# Altium PCB roach2.PcbDoc (part 17 of 39)
Units mil, origin at the board's own origin, x right, y up, seen from the top; angles counter-clockwise.
Board outline 12007.87 x 9606.3 mil, 16 copper layers (L1_TOP, L2_G, L3_S, L4_G, L5_S, L6_P, L7_G, L8_R, L9_R, L10_P, L11_P, L12_S, L13_P, L14_S, L15_G, L16_BOT), stack 81.651 mil thick; 1568 components, 1918 nets, 9251 pads, 6741 vias.
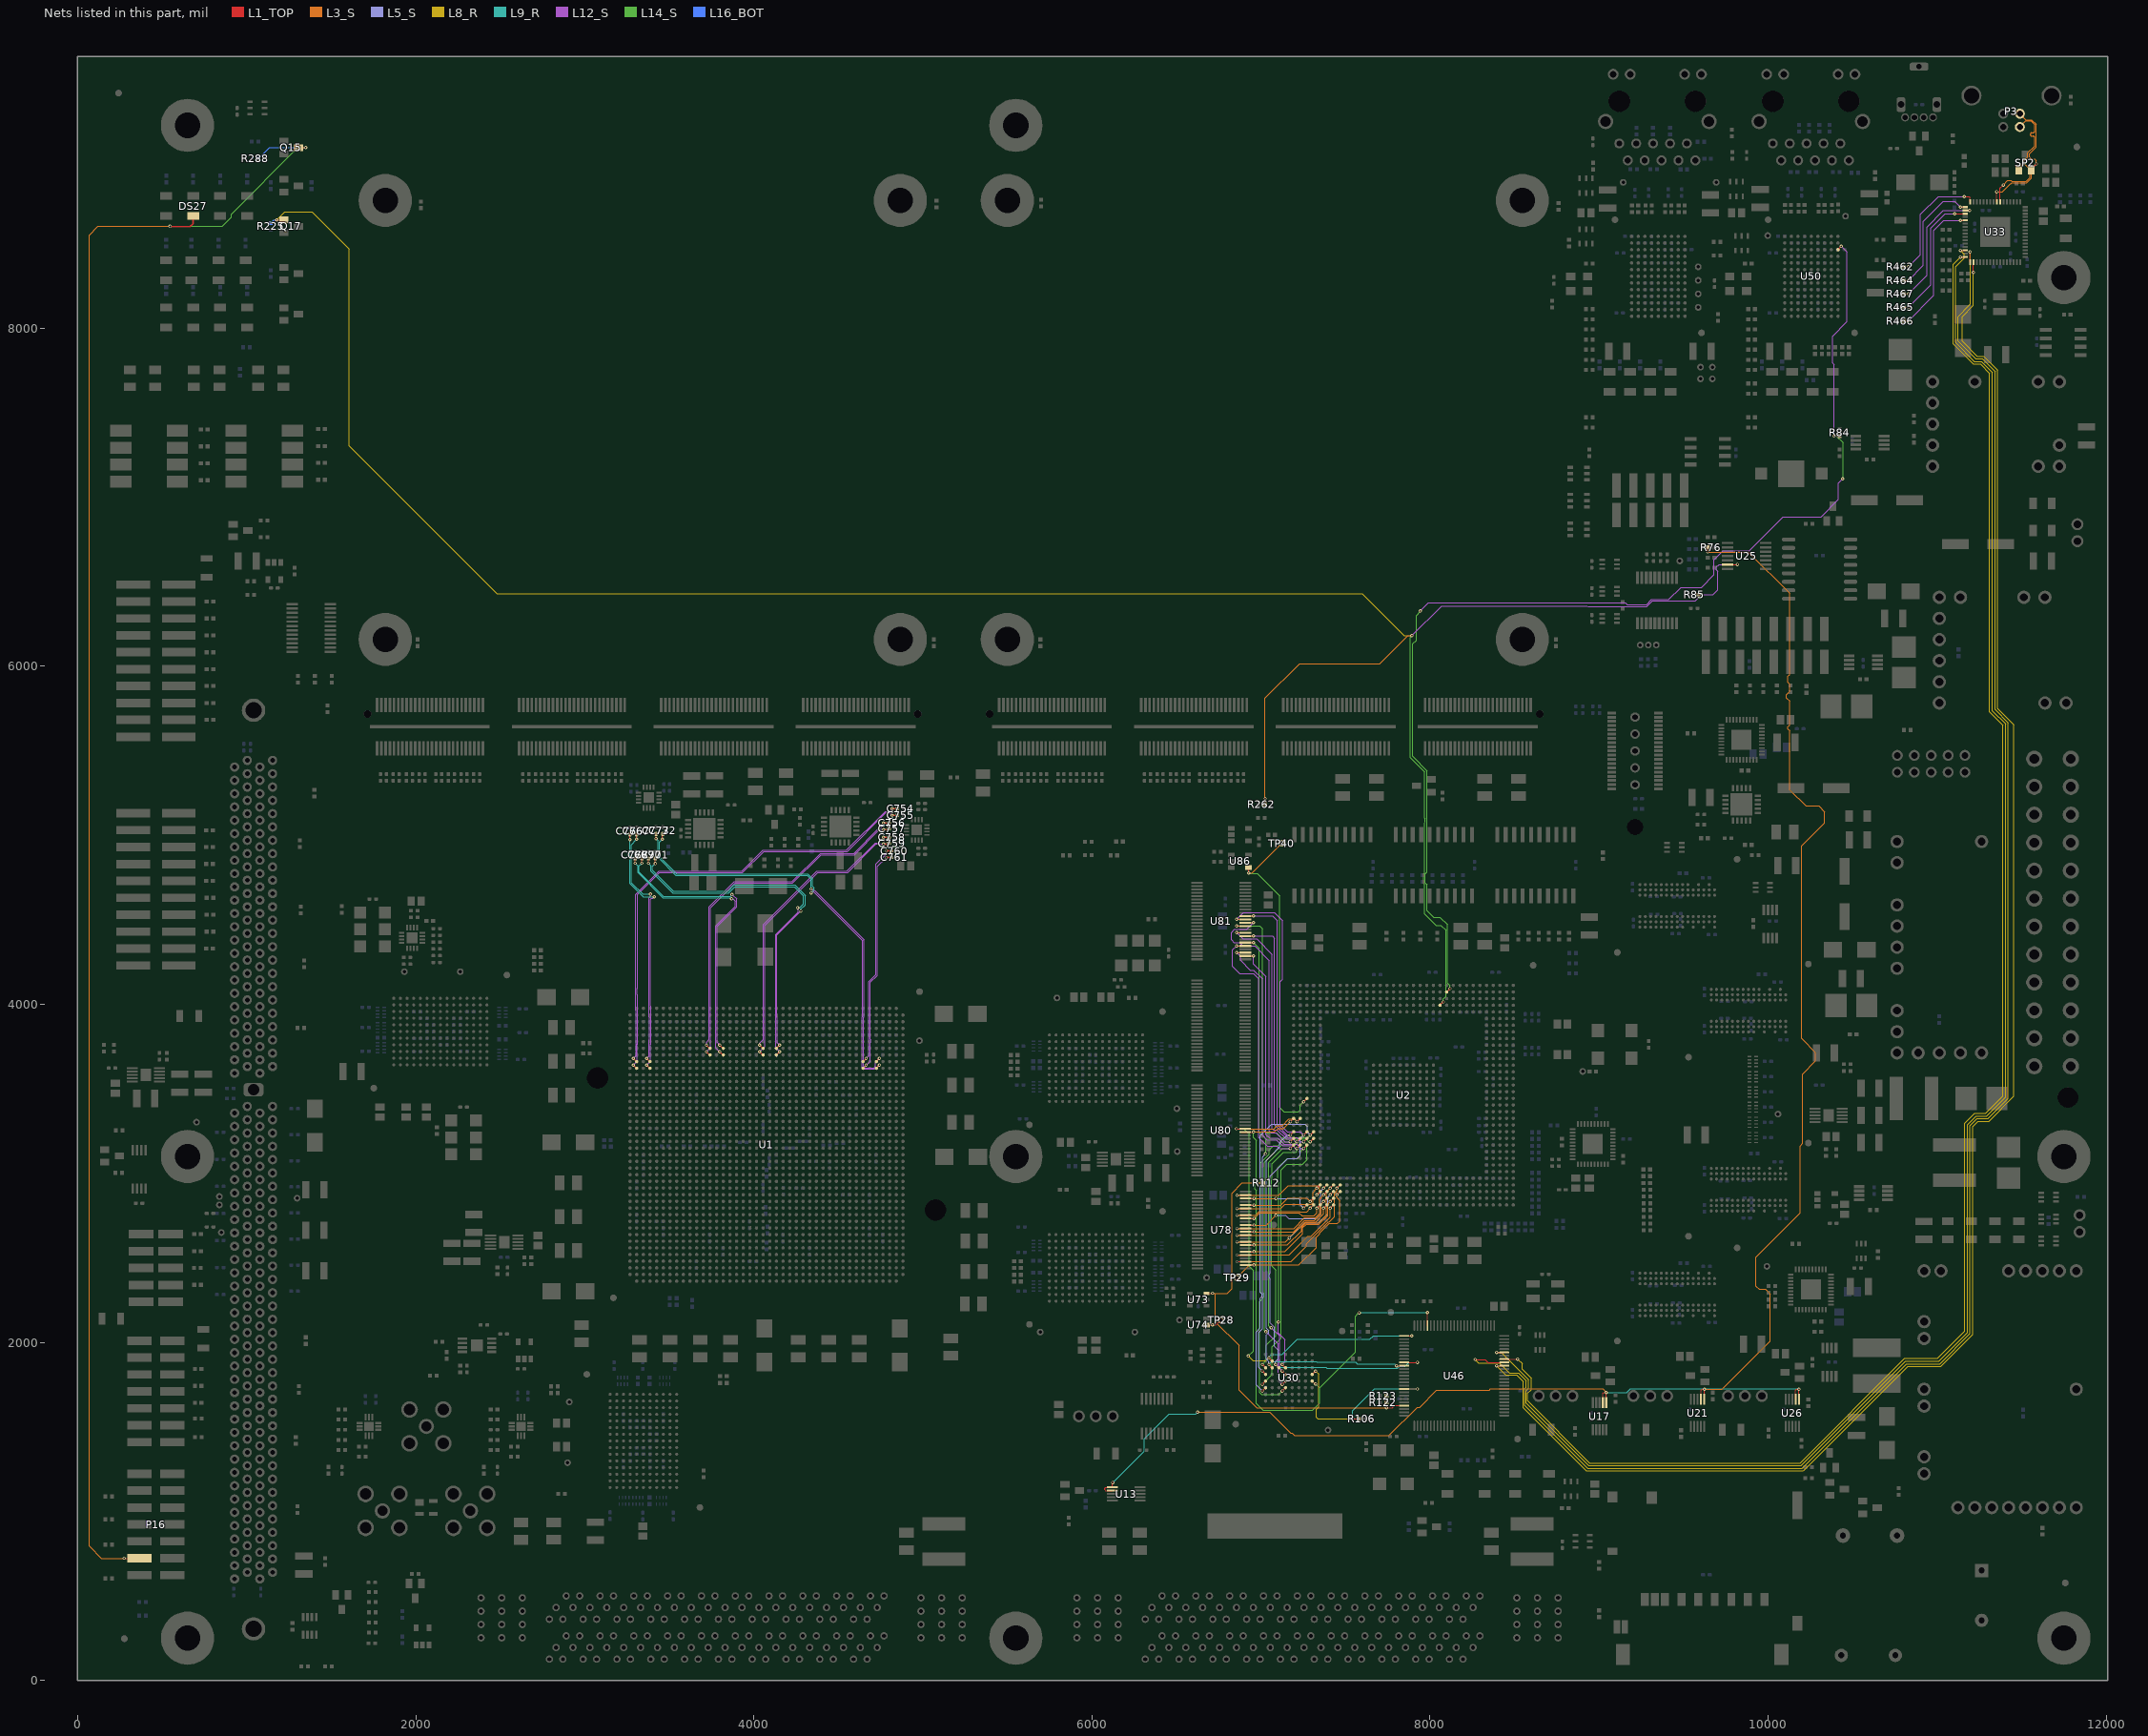
[diagram p31: the nets of this part, all layers, seen from the top]

## Via types
v1: diameter 19.4, hole 10, L1_TOP to L16_BOT, tented both sides, 3354 vias
v2: diameter 19.4, hole 10, L1_TOP to L16_BOT, 1954 vias
v3: diameter 19.4, hole 10, L1_TOP to L16_BOT, tented top, 429 vias
v4: diameter 18.6, hole 10, L1_TOP to L16_BOT, tented both sides, 311 vias
v5: diameter 59.06, hole 39.37, L1_TOP to L16_BOT, 217 vias
v6: diameter 19.4, hole 10.04, L1_TOP to L16_BOT, 125 vias
v7: diameter 19, hole 10, L1_TOP to L16_BOT, 93 vias
v8: diameter 19.4, hole 10, L1_TOP to L16_BOT, tented bottom, 80 vias
v9: diameter 25.98, hole 12.99, L1_TOP to L16_BOT, tented top, 55 vias
v10: diameter 20, hole 10, L1_TOP to L16_BOT, 53 vias
v11: diameter 59.06, hole 39.37, L1_TOP to L16_BOT, tented top, 44 vias
v12: diameter 20, hole 10, L1_TOP to L16_BOT, tented top, 16 vias
v13: diameter 19, hole 10, L1_TOP to L16_BOT, tented top, 5 vias
v14: diameter 25.98, hole 12.99, L1_TOP to L16_BOT, 4 vias
v15: diameter 50, hole 28, L1_TOP to L16_BOT, 1 vias

## Nets (pads, with @x,y where several pads share a name; then routed paths per layer and width w, separated by ;. In a path a pad name is that pad's centre, name@x,y a point inside that pad or via, vN(x,y) a via of type N, cw(c..) or ccw(c..) an arc to the next point about the centre after c; other vN are vias at no path point) (continued)
EPB.PDATA6: U2.A12 U30.G3 U46.10 U81.38 | length 3845.2
  L1_TOP w5: U81.38@6890.22,4522.45 U81.38@6907.16,4522.45 6956.22,4522.45 v1@6958.16,4522.45 ; v1(7047.24,1870.08) U30.G3@7066.93,1850.39 ; v1(7173.7,3226.77) U2.A12@7193.39,3246.46 ; v3(7801.52,1862.05) U46.10@7846.73,1862.05
  L5_S w3.8: v1(7047.24,1870.08) 7047.24,1887.39 7031.64,1902.99 7031.64,2043.58 7044.59,2056.53 7044.59,2069.45 7031.64,2082.4 7031.64,3077.64 7056.99,3102.99 7057.05,3102.99 7110.99,3156.93 7110.99,3182.99 7154.77,3226.77 v1(7173.7,3226.77)
  L9_R w3.8: v1(7047.24,1870.08) 7062.84,1885.68 7329.3,1885.68 7330.39,1884.59 7558.91,1884.59 7570.51,1872.99 7790.58,1872.99 v3(7801.52,1862.05)
  L12_S w3.8: v1(6956.22,4522.84) 7069.14,4522.84 7096.99,4494.99 7096.99,3286.99 7157.21,3226.77 v1(7173.7,3226.77)
EPB.PDATA7: U2.C12 U30.F3 U46.9 U81.37 | length 4256
  L1_TOP w5: v1(6856.22,4502.84) v1(6856.22,4502.84) U81.37@6907.16,4502.76 U81.37@6924.1,4502.76 ; v1(7086.61,1870.08) U30.F3@7106.3,1850.39 ; v1(7252.44,3226.77) U2.C12@7272.13,3246.46 ; U46.9@7846.73,1881.73 v2(7924.91,1881.73)
  L5_S w3.8: v1(7086.61,1870.08) 7086.61,1887.39 7102.21,1902.99 7102.21,1955.28 7080.99,1976.5 7080.99,2089.05 7055.24,2114.8 7055.24,2375.9 7047.84,2383.3 7047.84,2402.68 7055.24,2410.08 7055.24,2983.24 7158.99,3086.99 7213.46,3086.99 7232.99,3106.52 7232.99,3207.32 v1(7252.44,3226.77)
  L9_R w3.8: v1(7086.61,1870.08) 7102.84,1853.85 7384.13,1853.85 7390.99,1846.99 7794.51,1846.99 7795.06,1846.45 7807.98,1846.45 7820.53,1858.99 7852.99,1858.99 7875.73,1881.73 v2(7924.91,1881.73)
  L12_S w3.8: v1(6856.22,4502.84) 6896.38,4542.99 7080.99,4542.99 7128.99,4494.99 7128.99,4148.99 ; 7128.99,4150.99 7128.99,4148.99 ; v1(7252.44,3226.77) 7232.22,3246.99 7154.99,3246.99 7112.99,3288.99 7112.99,4132.99 7128.99,4148.99
EPB.PDATA8: U2.A11 U30.E6 U81.36 | length 3514.7
  L1_TOP w5: U81.36@6890.22,4483.08 U81.36@6907.16,4483.08 6956.22,4483.08 v1@6958.16,4483.08 ; v1(7125.98,1712.6) U30.E6@7145.67,1732.28 ; v1(7173.7,3187.4) U2.A11@7193.39,3207.09
  L12_S w3.8: v1(6956.22,4483.47) 6915.75,4442.99 6842.99,4442.99 6824.99,4424.99 6824.99,4380.99 6840.99,4364.99 6874.99,4364.99 6894.99,4344.99 6962.99,4344.99 7048.99,4258.99 7048.99,3250.99 7058.99,3240.99 7088.99,3240.99 7142.58,3187.4 v1(7173.7,3187.4)
  L14_S w3.8: v1(7125.98,1712.6) 7106.38,1692.99 7002.99,1692.99 6992.27,1703.71 6992.27,2082.27 6992.99,2082.99 6992.99,2240.99 7006.9,2254.9 7006.9,2285.45 6996.99,2295.36 6996.99,3060.99 7048.99,3112.99 7048.99,3139.05 7074.93,3164.99 7100.99,3164.99 7123.4,3187.4 v1(7173.7,3187.4)
EPB.PDATA9: U2.D12 U30.H6 U81.35 | length 3700.7
  L1_TOP w5: v1@6856.22,4463.39 U81.35@6907.16,4463.39 U81.35@6924.1,4463.39 ; v1(7007.87,1712.6) U30.H6@7027.56,1732.28 ; v1(7291.81,3226.77) U2.D12@7311.5,3246.46
  L5_S w3.8: 6996.24,2962.99 6996.24,2960.03 ; v1(7007.87,1712.6) 6972.99,1747.48 6972.99,2062.43 6996.24,2085.68 6996.24,2261.88 7006.9,2272.53 7006.9,2285.45 6996.24,2296.11 6996.24,2925.15 7003.99,2932.9 7003.99,2952.28 6996.24,2960.03 ; v1(7291.81,3226.77) 7272.99,3245.59 7272.99,3276.99 7260.07,3289.91 7061.91,3289.91 6996.24,3224.24 6996.24,2960.03
  L14_S w3.8: v1(6856.22,4463.47) 6857.75,4464.99 6990.99,4464.99 7008.99,4446.99 7008.99,3262.99 7032.99,3238.99 7090.99,3238.99 7119.19,3210.8 7275.84,3210.8 v1(7291.81,3226.77)
EPB.PDATA10: U2.B11 U30.E5 U81.33 | length 3200.5
  L1_TOP w5: v1@6856.16,4424.02 6856.22,4424.02 U81.33@6907.16,4424.02 U81.33@6924.1,4424.02 ; v1(7125.98,1751.97) U30.E5@7145.67,1771.65 ; v1(7213.07,3187.4) U2.B11@7232.76,3207.09
  L12_S w3.8: v1(6856.22,4424.1) 6893.33,4386.99 6974.99,4386.99 7066.99,4294.99 7066.99,4146.99 ; v2(7028.99,2062.99) 7102.21,1989.77 7102.21,1775.74 v1(7125.98,1751.97) ; 7066.99,4150.99 7066.99,4146.99 ; v1(7213.07,3187.4) 7204.9,3187.4 7189.3,3203 7148.98,3203 7094.99,3256.99 7072.99,3256.99 7066.99,3262.99 7066.99,4146.99
  L14_S w3.8: v2(7028.99,2062.99) 7020.99,2070.99 7020.99,3064.99 7124.99,3168.99 7194.66,3168.99 v1(7213.07,3187.4)
EPB.PDATA11: U2.C11 U30.H5 U81.32 | length 3175.6
  L1_TOP w5: U81.32@6890.22,4404.34 U81.32@6907.16,4404.34 6956.22,4404.34 v1@6958.16,4404.34 ; v1(7007.87,1751.97) U30.H5@7027.56,1771.65 ; v1(7252.44,3187.4) U2.C11@7272.13,3207.09
  L12_S w3.8: v1(6956.22,4404.73) 7067.25,4404.73 7080.99,4390.99 7080.99,3288.99 7159.18,3210.8 7211.73,3210.8 7235.13,3187.4 v1(7252.44,3187.4)
  L14_S w3.8: v1(7007.87,1751.97) 7066.99,1811.09 7066.99,1972.99 7118.99,2024.99 7118.99,3018.99 7152.99,3052.99 7244.99,3052.99 7270.99,3078.99 7270.99,3168.85 v1(7252.44,3187.4)
EPB.PDATA12: U2.D11 U30.H4 U81.30 | length 2992
  L1_TOP w5: U81.30@6890.22,4364.97 U81.30@6907.16,4364.97 6956.22,4364.97 v1@6958.16,4364.97 ; v1(7007.87,1830.71) U30.H4@7027.56,1811.02 ; v1(7291.81,3187.4) U2.D11@7311.5,3207.09
  L5_S w3.8: v1(7007.87,1830.71) 6986.99,1851.59 6986.99,2059.74 7008.04,2080.79 7008.04,2262.64 7014.7,2269.3 7014.7,2288.68 7008.04,2295.34 7008.04,2925.92 7011.79,2929.67 7011.79,2955.51 7008.04,2959.26 7008.04,3096.99 v2@7026.04,3114.99
  L14_S w3.8: v1(6956.22,4365.36) 6988.99,4332.59 6988.99,3242.99 7028.98,3203 ; v2(7026.99,3114.99) 7028.98,3116.98 7028.98,3203 ; v1(7291.81,3187.4) 7283.64,3187.4 7268.04,3203 7028.98,3203
EPB.PDATA13: U2.A10 U30.E4 U81.29 | length 3024.3
  L1_TOP w5: v1@6856.16,4345.28 6856.22,4345.28 U81.29@6907.16,4345.28 U81.29@6924.1,4345.28 ; v1(7125.98,1830.71) U30.E4@7145.67,1811.02 ; v1(7173.7,3148.03) U2.A10@7193.39,3167.72
  L12_S w3.8: v1(6856.22,4345.36) 6832.99,4322.13 6832.99,4224.99 6874.99,4182.99 6954.99,4182.99 6986.99,4150.99 6986.99,3210.99 7036.99,3160.99 7094.99,3160.99 7107.95,3148.03 v1(7173.7,3148.03) ; v2(7060.99,2086.99) 7110.01,2037.97 7110.01,1846.68 v1(7125.98,1830.71)
  L14_S w3.8: v2(7060.99,2086.99) 7056.99,2086.99 7044.99,2098.99 7044.99,3064.99 7128.03,3148.03 v1(7173.7,3148.03)
EPB.PDATA14: U2.B10 U30.H3 U81.27 | length 2941
  L1_TOP w5: v1@6856.16,4305.91 6856.22,4305.91 U81.27@6907.16,4305.91 U81.27@6924.1,4305.91 ; v1(7007.87,1870.08) U30.H3@7027.56,1850.39 ; v1(7213.07,3148.03) U2.B10@7232.76,3167.72
  L12_S w3.8: v1(6856.22,4305.99) 6878.99,4283.22 6878.99,4260.99 6936.99,4202.99 6956.99,4202.99 7008.99,4150.99 7008.99,3224.99 7034.99,3198.99 7090.99,3198.99 7126.36,3163.63 7189.3,3163.63 7204.9,3148.03 v1(7213.07,3148.03)
  L14_S w3.8: v1(7007.87,1870.08) 7028.99,1891.2 7028.99,1980.99 7086.84,2038.84 7086.84,2429.14 7063.79,2452.19 7063.79,2958.99 7064.39,2959.59 7064.39,3056.39 7132.26,3124.26 7206.26,3124.26 7213.07,3131.07 v1(7213.07,3148.03)
EPB.PDATA15: U2.C10 U30.E3 U81.26 | length 2873.1
  L1_TOP w5: U81.26@6890.22,4286.23 U81.26@6907.16,4286.23 6956.22,4286.23 v1@6958.16,4286.23 ; v1(7125.98,1870.08) U30.E3@7145.67,1850.39 ; v1(7252.44,3148.03) U2.C10@7272.13,3167.72
  L12_S w3.8: v1(6956.22,4286.62) 6956.22,4237.76 7028.99,4164.99 7028.99,3228.99 7050.19,3207.79 7100.19,3207.79 7136.55,3171.43 7211.73,3171.43 7235.13,3148.03 v1(7252.44,3148.03) ; v2(7102.99,2120.99) 7102.99,2056.02 7141.58,2017.43 7141.58,1885.68 v1(7125.98,1870.08)
  L14_S w3.8: v2(7102.99,2120.99) 7104.95,2122.95 7104.95,2945.04 7098.99,2950.99 7098.99,3032.99 7154.99,3088.99 7218.99,3088.99 7232.99,3102.99 7232.99,3128.58 v1(7252.44,3148.03)
EPB.PDATA16: U2.E3 U78.47 | length 663.6
  L1_TOP w5: v1@6858.36,2870.93 6858.42,2870.93 U78.47@6909.36,2870.93 U78.47@6926.3,2870.93 ; v1(7331.18,2872.44) U2.E3@7350.87,2892.13
  L3_S w3.8: v1(6858.42,2871.01) 7106.01,2871.01 7162.41,2927.41 7337.64,2927.41 7346.78,2918.27 7346.78,2888.04 v1(7331.18,2872.44)
EPB.PDATA17: U2.C1 U78.46 | length 431.3
  L1_TOP w5: U78.46@6892.42,2851.24 U78.46@6909.36,2851.24 6958.42,2851.24 v1@6960.36,2851.24 ; v1(7252.44,2793.7) U2.C1@7272.13,2813.39
  L3_S w3.8: v1(6958.42,2851.64) v2(7089.35,2851.64)
  L5_S w3.8: v2(7089.35,2851.64) 7224.35,2851.64 7232.99,2842.99 7232.99,2813.15 v1(7252.44,2793.7)
EPB.PDATA18: U2.D2 U78.44 | length 454.3
  L1_TOP w5: U78.44@6892.42,2811.87 U78.44@6909.36,2811.87 6958.42,2811.87 v1@6960.36,2811.87 ; v1(7291.81,2833.07) U2.D2@7311.5,2852.76
  L3_S w3.8: v1(6958.42,2812.27) 7117.27,2812.27 7157.99,2852.99 7271.89,2852.99 v1(7291.81,2833.07)
EPB.PDATA19: U2.E4 U78.43 | length 654
  L1_TOP w5: v1@6858.36,2792.19 6858.42,2792.19 U78.43@6909.36,2792.19 U78.43@6926.3,2792.19 ; v1(7331.18,2911.81) U2.E4@7350.87,2931.5
  L3_S w3.8: v1(6858.42,2792.27) 7117.27,2792.27 7142.47,2817.47 7298.27,2817.47 7307.41,2826.61 7307.41,2888.04 v1(7331.18,2911.81)
EPB.PDATA20: U2.D1 U78.41 | length 547.6
  L1_TOP w5: v1@6858.36,2752.82 6858.42,2752.82 U78.41@6909.36,2752.82 U78.41@6926.3,2752.82 ; v1(7291.81,2793.7) U2.D1@7311.5,2813.39
  L3_S w3.8: v1(6858.42,2752.9) 6966.76,2752.9 6988.66,2774.79 7227.22,2774.79 7229.02,2772.99 7271.1,2772.99 v1(7291.81,2793.7)
EPB.PDATA21: U2.E1 U78.40 | length 525.3
  L1_TOP w5: U78.40@6892.42,2733.13 U78.40@6909.36,2733.13 6958.42,2733.13 v1@6960.36,2733.13 ; v1(7331.18,2793.7) U2.E1@7350.87,2813.39
  L3_S w3.8: v1(6958.42,2733.53) 6991.89,2766.99 7223.99,2766.99 7242.99,2747.99 7312.99,2747.99 7331.18,2766.18 v1(7331.18,2793.7)
EPB.PDATA22: U2.F4 U78.38 | length 692.8
  L1_TOP w5: U78.38@6892.42,2693.76 U78.38@6909.36,2693.76 6958.42,2693.76 v1@6960.36,2693.76 ; v1(7370.55,2911.81) U2.F4@7390.24,2931.5
  L3_S w3.8: v1(6958.42,2694.16) 7032.16,2694.16 v2(7088.99,2750.99)
  L5_S w3.8: v2(7088.99,2750.99) 7144.99,2750.99 7162.99,2732.99 7327.99,2732.99 7352.99,2757.99 7352.99,2894.25 v1(7370.55,2911.81)
EPB.PDATA23: U2.F3 U78.37 | length 740.3
  L1_TOP w5: v1@6858.36,2674.08 6858.42,2674.08 U78.37@6909.36,2674.08 U78.37@6926.3,2674.08 ; v1(7370.55,2872.44) U2.F3@7390.24,2892.13
  L3_S w3.8: v1(6858.42,2674.16) 7194.16,2674.16 7258.51,2738.51 7322.48,2738.51 7347.15,2763.18 7347.15,2849.04 v1(7370.55,2872.44)
EPB.PDATA24: U2.F2 U78.36 | length 615.4
  L1_TOP w5: U78.36@6892.42,2654.39 U78.36@6909.36,2654.39 6958.42,2654.39 v1@6960.36,2654.39 ; v1(7370.55,2833.07) U2.F2@7390.24,2852.76
  L3_S w3.8: v1(6958.42,2654.79) 7191.59,2654.79 7258.63,2721.82 7316.82,2721.82 7354.95,2759.95 7354.95,2817.47 v1(7370.55,2833.07)
EPB.PDATA25: U2.F1 U78.35 | length 693.1
  L1_TOP w5: v1@6858.36,2634.71 6858.42,2634.71 U78.35@6909.36,2634.71 U78.35@6926.3,2634.71 ; v1(7370.55,2793.7) U2.F1@7390.24,2813.39
  L3_S w3.8: v1(6858.42,2634.79) 7182.62,2634.79 7261.86,2714.02 7324.02,2714.02 7370.55,2760.55 v1(7370.55,2793.7)
EPB.PDATA26: U2.G3 U78.33 | length 819.1
  L1_TOP w5: v1@6858.36,2595.34 6858.42,2595.34 U78.33@6909.36,2595.34 U78.33@6926.3,2595.34 ; v1(7409.92,2872.44) U2.G3@7429.61,2892.13
  L3_S w3.8: v1(6858.42,2595.42) 7145.42,2595.42 v2(7167.99,2617.99)
  L5_S w3.8: v2(7167.99,2617.99) 7257.99,2707.99 7342.99,2707.99 7394.32,2759.32 7394.32,2856.84 v1(7409.92,2872.44)
EPB.PDATA27: U2.G4 U78.32 | length 778.1
  L1_TOP w5: U78.32@6892.42,2575.65 U78.32@6909.36,2575.65 6958.42,2575.65 v1@6960.36,2575.65 ; v1(7409.92,2911.81) U2.G4@7429.61,2931.5
  L3_S w3.8: v1(6958.42,2576.05) 7156.05,2576.05 7239.76,2659.76 7239.76,2680.9 7265.09,2706.22 7339.75,2706.22 7386.52,2752.99 7386.52,2888.41 v1(7409.92,2911.81)
EPB.PDATA28: U2.G2 U78.30 | length 730.5
  L1_TOP w5: U78.30@6892.42,2536.28 U78.30@6909.36,2536.28 6958.42,2536.28 v1@6960.36,2536.28 ; v1(7409.92,2833.07) U2.G2@7429.61,2852.76
  L3_S w3.8: v1(6958.42,2536.68) 7141.68,2536.68 7247.56,2642.56 7247.56,2677.67 7268.32,2698.42 7343.42,2698.42 7394.32,2749.32 7394.32,2817.47 v1(7409.92,2833.07)
EPB.PDATA29: U2.G1 U78.29 | length 793.6
  L1_TOP w5: v1@6858.36,2516.6 6858.42,2516.6 U78.29@6909.36,2516.6 U78.29@6926.3,2516.6 ; v1(7409.92,2793.7) U2.G1@7429.61,2813.39
  L3_S w3.8: v1(6858.42,2516.68) 7166.68,2516.68 7277.56,2627.56 7297.67,2627.56 7409.92,2739.82 v1(7409.92,2793.7)
EPB.PDATA30: U2.H4 U78.27 | length 964.7
  L1_TOP w5: v1@6858.36,2477.23 6858.42,2477.23 U78.27@6909.36,2477.23 U78.27@6926.3,2477.23 ; v1(7449.29,2911.81) U2.H4@7468.98,2931.5
  L3_S w3.8: v1(6858.42,2477.31) 7177.31,2477.31 7267.99,2567.99 7267.99,2582.99 7397.99,2712.99 7402.99,2712.99 7433.69,2743.69 7433.69,2878.9 7449.29,2894.5 v1(7449.29,2911.81)
EPB.PDATA31: TP29.1 U2.H3 U78.26 | length 1041.7
  L1_TOP w5: U78.26@6892.42,2457.54 U78.26@6909.36,2457.54 6958.42,2457.54 v1@6960.36,2457.54 ; v1(7449.29,2872.44) U2.H3@7468.98,2892.13
  L3_S w3.8: v1(6958.42,2457.94) 7223.94,2457.94 7326.82,2560.82 7326.82,2622.19 ; 7327.65,2623.02 7347.56,2642.93 7347.56,2647.67 7402.89,2702.99 7452.99,2702.99 7464.89,2714.89 7464.89,2839.53 7449.29,2855.13 v1(7449.29,2872.44)
  L3_S w5: TP29.1@6857.99,2382.99 6932.94,2457.94 v1(6958.42,2457.94)
EPB.PERCLK: R112.2 R122.2 R123.1 TP28.1 U46.22 U73.3 U74.2 | length 2792
  L1_TOP w5: U73.3@6669.3,2290.59 6671.3,2290.59 6712.59,2290.59 v2(6712.99,2290.99) ; U74.2@6679.3,2102.59 v2@6712.59,2102.59 ; v2(6712.99,2102.99) 6732.99,2102.99 TP28.1@6762.99,2132.99 ; v2@6980.99,2942.99 R112.2@7013.31,2942.99 R112.2@7014.28,2942.99 ; v2@7742.68,1613.31 R122.2@7742.68,1642.99 R123.1@7742.68,1682.99 ; v2(7742.99,1612.99) 7774.99,1612.99 7787.83,1625.83 U46.22@7846.73,1625.83
  L3_S w3.8: v2(6712.99,2102.99) 6730.99,2120.99 ; v2(6712.99,2290.99) 6730.99,2290.99 ; v2(6980.59,2942.59) 6888.59,2942.59 6827.99,2881.99 6827.99,2317.99 6800.99,2290.99 6730.99,2290.99 ; v2(7742.99,1612.99) 6974.99,1612.99 6870.99,1716.99 6870.99,1980.99 6730.99,2120.99 ; 6730.99,2120.99 6730.99,2290.99
EPB.POEN: U2.B14 U30.G2 U46.1 U80.43 | length 3023.7
  L1_TOP w5: v1(6855.32,3263.93) U80.43@6906.26,3263.85 U80.43@6923.2,3263.85 ; v1(7047.24,1909.45) U30.G2@7066.93,1889.76 ; v1(7213.07,3305.51) U2.B14@7232.76,3325.2 ; U46.1@7846.73,2039.21 v3(7891.94,2039.21)
  L3_S w3.8: v1(6855.32,3263.93) 7075.93,3263.93 7094.99,3282.99 7126.99,3282.99 7165.11,3321.11 7197.47,3321.11 v1(7213.07,3305.51)
  L8_R w3.8: v2(6924.99,1918.99) 6952.99,1890.99 7028.79,1890.99 v1(7047.24,1909.45)
  L9_R w3.8: v1(7047.24,1909.45) 7047.24,1913.24 7062.99,1928.99 7124.99,1928.99 7214.59,2018.59 7644.59,2018.59 7665.21,2039.21 v3(7891.94,2039.21)
  L14_S w3.8: v1(6855.32,3263.93) 6900.06,3263.93 6928.99,3234.99 6928.99,2450.99 6954.99,2424.99 6954.99,1948.99 v2(6924.99,1918.99)
EPB.PRDY: TP40.1 U2.C17 U86.4 | length 2014.7
  L1_TOP w5: v2@6927.17,4776.74 U86.4@6927.17,4809.06 ; v1(7252.44,3423.62) U2.C17@7272.13,3443.31
  L3_S w5: v2(6927.57,4776.34) 6946.34,4776.34 TP40.1@7122.99,4952.99
  L14_S w3.8: v2@6926.99,4774.99 6927.57,4774.99 6976.99,4774.99 7110.99,4640.99 7110.99,3388.99 7136.99,3362.99 7220.99,3362.99 7231.81,3373.81 7231.81,3402.99 v1(7252.44,3423.62)
EPB.PWRN: U2.A14 U30.A5 U46.96 U80.42 | length 3538.4
  L1_TOP w5: U80.42@6889.32,3244.16 U80.42@6906.26,3244.16 v1@6955.32,3244.16 ; v1(7173.7,3305.51) U2.A14@7193.39,3325.2 ; U30.A5@7303.15,1771.65 v1@7322.23,1752.58 ; U46.96@7985.51,2099.25 v2(7985.51,2177.43)
  L3_S w3.8: v1(6955.32,3244.56) 7080.56,3244.56 7100.99,3264.99 7133.18,3264.99 v1(7173.7,3305.51)
  L9_R w3.8: v2@7578.99,2172.99 v2(7580.99,2174.99) 7583.43,2177.43 v2(7985.51,2177.43)
  L14_S w3.8: v1(6955.32,3244.56) 6955.32,3212.66 6972.99,3194.99 6972.99,2957.06 6964.99,2949.05 6964.99,2906.5 6974.02,2897.47 6974.02,2450.44 ; 6972.99,2449.41 6972.99,1638.99 7012.99,1598.99 7304.99,1598.99 7346.99,1640.99 7346.99,1730.29 ; v1(7323.47,1753.82) 7346.99,1730.29 ; v2@7576.99,2172.99 7558.99,2154.99 7558.99,1942.29 7346.99,1730.29
EXT_REFCLK_N0: C760.2 U1.G9 | length 1335.7
  L1_TOP w5: U1.G9@4644.77,3659.88 4645.99,3661.1 v1(4664.46,3679.57)
  L1_TOP w10: v2(4782.99,4907.99) C760.2@4813.31,4907.99
  L12_S w3.8: v1(4664.46,3679.57) 4680.43,3695.54 4680.43,3775.96 4680.96,3776.49 4680.96,4132.96 4723.19,4175.19 4723.19,4830.25 4782.99,4890.05 v2(4782.99,4907.99)
EXT_REFCLK_N1: C758.2 U1.AB7 | length 1704.6
  L1_TOP w5: v1(4034.53,3758.31) 4053.9,3738.94 U1.AB7@4054.22,3738.62
  L1_TOP w10: v2(4767.99,4987.99) C758.2@4798.31,4987.99
  L12_S w3.8: v1@4035.43,3759.84 4035.43,3771.23 4057.19,3792.99 4057.19,4473.19 4372.51,4788.51 4551.48,4788.51 4718.76,4955.79 4735.79,4955.79 v2(4767.99,4987.99)
EXT_REFCLK_N2: C756.2 U1.AK7 | length 2126.8
  L1_TOP w5: v1(3719.57,3758.31) 3738.94,3738.94 U1.AK7@3739.26,3738.62
  L1_TOP w10: v2(4767.99,5072.99) C756.2@4798.31,5072.99
  L12_S w3.8: v1@3720.47,3759.84 3720.47,3777.15 3736.44,3793.12 3736.44,4575.47 3885.76,4724.79 4225.56,4724.79 4393.76,4892.99 4591.96,4892.99 4739.76,5040.79 4750.79,5040.79 4767.99,5057.99 v2(4767.99,5072.99)
EXT_REFCLK_N3: C754.2 U1.BA9 | length 2763.5
  L1_TOP w5: v1(3286.5,3679.57) 3305.87,3660.2 U1.BA9@3306.19,3659.88
  L1_TOP w10: v2(4817.99,5157.99) C754.2@4848.31,5157.99
  L12_S w3.8: v1(3286.5,3679.57) 3302.47,3695.54 3302.47,3768 3303,3768.53 3303,3964.18 3301.19,3965.99 3301.19,4650.22 3437.76,4786.79 3928.99,4786.79 4054.99,4912.79 4548.66,4912.79 4777.76,5141.89 4801.89,5141.89 v2(4817.99,5157.99)
EXT_REFCLK_N4: C773.2 U1.E9 | length 2511.7
  L1_TOP w5: v2(3420.99,4979.65) C773.2@3420.99,5008.31 C773.2@3420.99,5010.99 ; U1.E9@4723.51,3659.88 4724.73,3661.1 v1(4743.2,3679.57)
  L9_R w3.8: v2(3420.99,4979.65) 3433.19,4967.45 3433.19,4868.79 3538.99,4762.99 4314.99,4762.99 4338.99,4738.99 v2(4338.99,4682.59)
  L12_S w3.8: v2(4338.99,4682.59) 4346.79,4674.79 4357.19,4674.79 4650.99,4380.99 4650.99,3925.02 4649.76,3923.79 4649.76,3765.67 4648.86,3764.77 4648.86,3633.74 4658,3624.6 4710.29,3624.6 4719.43,3633.74 4719.43,3655.8 v1(4743.2,3679.57) ; v1@4742.88,3679.89 v1@4744.1,3681.1
EXT_REFCLK_N5: C771.2 U1.Y7 | length 2063.4
  L1_TOP w5: C771.2@3416.79,4863.31 3416.79,4832.59 3416.79,4831.96 3417.29,4832.46 v2(3417.29,4832.59) ; U1.Y7@4132.96,3738.62 4134.18,3739.84 v1(4152.65,3758.31)
  L9_R w3.8: v2(3417.29,4832.59) 3401.04,4816.34 3401.04,4792.99 3525.04,4668.99 3846.99,4668.99 3882.99,4704.99 4244.22,4704.99 4303.58,4645.64 4303.58,4588.95 4278.02,4563.39 v2(4278.02,4551.96)
  L12_S w3.8: v1@4153.54,3759.84 4152.65,3759.84 4150.14,3759.84 4137.57,3772.41 4137.57,3927.02 4136.99,3927.6 4136.99,4410.93 v2(4278.02,4551.96)
EXT_REFCLK_N6: C769.2 U1.AH7 | length 1680.7
  L1_TOP w5: v2(3337.99,4834.65) C769.2@3337.99,4863.31 C769.2@3337.99,4865.99 ; v1(3798.31,3758.31) 3817.68,3738.94 U1.AH7@3818,3738.62
  L9_R w3.8: v2(3337.99,4834.65) 3321.89,4818.55 3321.89,4782.99 3465.89,4638.99 3860.99,4638.99 v2(3870.99,4648.99)
  L12_S w3.8: v1@3799.21,3759.84 3798.31,3759.84 3798.14,3759.84 3782.79,3775.19 3782.79,3789.07 3783.24,3789.52 3783.24,3927.02 3782.79,3927.47 3782.79,4459.76 3898.79,4575.76 3898.79,4623.45 v2@3876.99,4645.25
EXT_REFCLK_N7: C767.2 U1.AW9 | length 1454.2
  L1_TOP w5: v2(3306.99,4976.65) C767.2@3306.99,5005.31 C767.2@3306.99,5007.99 ; v1(3365.24,3679.57) 3384.61,3660.2 U1.AW9@3384.93,3659.88
  L9_R w3.8: v2(3306.99,4976.65) 3274.79,4944.45 3274.79,4759.76 3274.99,4759.56 3274.99,4718.99 3341.96,4652.02 v2(3387.96,4652.02)
  L12_S w3.8: v1(3365.24,3679.57) 3380.99,3695.32 3380.99,3791.26 3381.74,3792 3381.74,3923.79 3380.99,3924.53 3380.99,4630.79 3388.91,4638.71 3388.91,4651.08 v2(3387.96,4652.02)
EXT_REFCLK_P0: C761.2 U1.G10 | length 1337.7
  L1_TOP w5: U1.G10@4644.77,3620.51 4645.99,3621.73 v1(4664.46,3640.2)
  L1_TOP w10: v2(4782.99,4867.99) C761.2@4813.31,4867.99
  L12_S w3.8: v1(4664.46,3640.2) 4688.23,3663.97 4688.23,3772.73 4691.99,3776.49 4691.99,3789.89 4689.13,3792.75 4689.13,3794.89 4688.76,3795.26 4688.76,3837.62 4689.13,3837.99 4689.13,4130.1 4730.99,4171.96 4730.99,4815.99 v2(4782.99,4867.99)
EXT_REFCLK_P1: C759.2 U1.AB8 | length 1721.1
  L1_TOP w5: v1(4034.53,3718.94) 4053.9,3699.57 U1.AB8@4054.22,3699.25
  L1_TOP w10: v2(4767.99,4947.99) C759.2@4798.31,4947.99
  L12_S w3.8: v1(4034.53,3718.94) 4064.99,3749.4 4064.99,4466.99 4378.71,4780.71 4554.71,4780.71 4721.99,4947.99 v2(4767.99,4947.99)
EXT_REFCLK_P2: C757.2 U1.AK8 | length 2135.1
  L1_TOP w5: v1(3719.57,3718.94) 3738.94,3699.57 U1.AK8@3739.26,3699.25
  L1_TOP w10: v2(4767.99,5032.99) C757.2@4798.31,5032.99
  L12_S w3.8: v1@3720.47,3720.47 3744.24,3744.24 3743.34,3745.14 3743.34,3765.67 3744.24,3766.57 3744.24,4572.24 3888.99,4716.99 4228.79,4716.99 4396.99,4885.19 4595.19,4885.19 4742.99,5032.99 v2(4767.99,5032.99)
EXT_REFCLK_P3: C755.2 U1.BA10 | length 2792.3
  L1_TOP w5: v1(3286.5,3640.2) 3305.87,3620.83 U1.BA10@3306.19,3620.51
  L1_TOP w10: v2(4817.99,5117.99) C755.2@4848.31,5117.99
  L12_S w3.8: v1(3286.5,3640.2) 3310.27,3663.97 3310.27,3764.77 3311.17,3765.67 3311.17,4056.75 3310.39,4057.53 3310.39,4094.45 3311.17,4095.23 3311.17,4649.17 3440.99,4778.99 3932.22,4778.99 4058.22,4904.99 4551.89,4904.99 4780.99,5134.09 4801.89,5134.09 v2(4817.99,5117.99)
EXT_REFCLK_P4: C772.2 U1.E10 | length 2525.3
  L1_TOP w5: v2(3458.99,4977.68) 3458.99,5008.31 3458.99,5009.02 C772.2@3460.99,5008.31 ; U1.E10@4723.51,3620.51 4724.73,3621.73 v1(4743.2,3640.2)
  L9_R w3.8: v2(3458.99,4977.68) 3440.99,4959.68 3440.99,4872.02 3542.22,4770.79 4319.19,4770.79 4346.79,4743.19 4346.79,4696.85 4354.59,4689.05 4354.59,4676.13 4338.99,4660.53 v2(4338.99,4659.19)
  L12_S w3.8: v2(4338.99,4659.19) 4346.79,4666.99 4353.96,4666.99 4643.19,4377.76 4643.19,3928.25 4641.59,3926.65 4641.59,3791.85 4640.69,3790.96 4640.69,3625.3 4649.19,3616.8 4719.27,3616.8 4742.67,3640.2 v1(4743.2,3640.2) ; v1@4743.2,3642.4 4744.1,3642.4 v1@4744.1,3641.73
EXT_REFCLK_P5: C770.2 U1.Y8 | length 2109.9
  L1_TOP w5: v2(3376.99,4834.65) C770.2@3376.99,4863.31 C770.2@3376.99,4865.99 ; U1.Y8@4132.96,3699.25 4134.18,3700.47 v1(4152.65,3718.94)
  L9_R w3.8: v2(3376.99,4834.65) 3391.24,4820.4 3391.24,4788.93 3522.18,4657.99 3849.99,4657.99 3887.19,4695.19 4240.16,4695.19 4292.99,4642.36 4292.99,4592.22 4279.38,4578.61 4271.76,4570.99 v2(4258.99,4570.99)
  L12_S w3.8: v1@4153.54,3720.47 4129.77,3744.24 4129.77,3923.79 4129.19,3924.37 4129.19,4414.16 4261.48,4546.45 v2@4261.48,4568.51
EXT_REFCLK_P6: C768.2 U1.AH8 | length 1709.2
  L1_TOP w5: v2(3297.99,4834.65) C768.2@3297.99,4863.31 C768.2@3297.99,4865.99 ; v1(3798.31,3718.94) 3817.68,3699.57 U1.AH8@3818,3699.25
  L9_R w3.8: v2(3297.99,4834.65) 3314.09,4818.55 3314.09,4779.76 3462.66,4631.19 3862.79,4631.19 v2(3868.99,4624.99)
  L12_S w3.8: 3774.99,3792.3 3774.99,3742.26 v1(3798.31,3718.94) ; 3774.99,3924.23 3774.99,4462.99 3890.99,4578.99 3890.99,4609.19 v2@3875.19,4624.99 ; 3775.44,3792.75 3775.44,3923.79
EXT_REFCLK_P7: C766.2 U1.AW10 | length 1509
  L1_TOP w5: v2(3266.99,4974.68) C766.2@3266.99,5005.31 C766.2@3266.99,5006.02 ; v1(3365.24,3640.2) 3384.61,3620.83 U1.AW10@3384.93,3620.51
  L9_R w3.8: v2(3266.99,4974.68) 3266.99,4756.53 3267.19,4756.33 3267.19,4715.76 3346.53,4636.42 3403.56,4636.42 v2@3404.51,4635.48
  L12_S w3.8: v1(3365.24,3640.2) 3389.01,3663.97 3389.01,3764.77 3389.91,3765.67 3389.91,3989.37 3388.79,3990.49 3388.79,4622.79 3392.99,4626.99 3402.02,4626.99 v2(3410.51,4635.48)
FAN_ALERTN: R76.1 U13.6 U13.7 U17.6 U17.7 U21.6 U21.7 U26.6 U26.7 | length 11011
  L1_TOP w5: U13.7@6122.28,1122.68 6079.31,1122.68 6074.99,1126.99 6074.99,1134.99 6082.36,1142.36 U13.6@6122.28,1142.36 6122.28,1170.28 v2(6122.99,1170.99) ; U17.7@9022.68,1643.7 9022.68,1696.68 9028.36,1702.36 v2@9042.36,1702.36 ; U17.6@9042.36,1643.7 v2@9042.36,1702.36 ; v2(9042.99,1702.99) v2@9042.36,1702.36 ; U21.7@9602.68,1663.7 9602.68,1716.68 9608.36,1722.36 v3@9622.36,1722.36 ; U21.6@9622.36,1663.7 v3@9622.36,1722.36 ; v3(9622.99,1722.99) v3@9622.36,1722.36 ; R76.1@9643.31,6702.99 v2(9643.31,6676.13) v2@9644.31,6675.13 ; U26.7@10162.68,1663.7 10162.68,1716.68 10168.36,1722.36 v2@10182.36,1722.36 ; U26.6@10182.36,1663.7 v2@10182.36,1722.36 ; v2(10182.99,1722.99) v2@10182.36,1722.36
  L3_S w3.8: v2(6624.99,1586.99) 7050.99,1586.99 7174.39,1463.59 7183.14,1463.59 7198.73,1448 7613.94,1448 7616.53,1450.59 7629.45,1450.59 7632.05,1448 7756.8,1448 7925.39,1616.59 7938.59,1616.59 8038.99,1716.99 8351.14,1716.99 8358.47,1724.33 9021.66,1724.33 v2(9042.99,1702.99) ; v3(9622.99,1722.99) 9728.99,1722.99 10012.99,2006.99 10012.99,2286.99 9984.99,2314.99 9946.99,2314.99 9928.99,2332.99 9928.99,2504.99 10188.99,2764.99 10188.99,3162.43 10203.39,3176.83 10203.39,3588.15 10281.61,3666.37 10281.61,3714.37 10197.97,3798.01 10197.97,4936.73 10248.81,4987.56 10249.67,4987.56 10334.99,5072.89 10334.99,5137.45 10299.21,5173.23 10222.76,5173.23 10127,5268.98 10127,5618.92 10116.92,5629 10116.92,5641.93 10127,5652.01 10127,5794.96 10108.88,5813.08 10108.88,5832.46 10127,5850.58 10127,5893.36 10116.68,5903.68 10116.68,5940.71 10127,5951.02 10127,6430.98 9881.85,6676.13 v2(9643.31,6676.13)
  L9_R w3.8: 6576.99,1576.99 6614.99,1576.99 v2(6624.99,1586.99) ; v2(9042.99,1702.99) 9164.54,1702.99 9185.87,1724.33 9621.66,1724.33 v3(9622.99,1722.99) 9624.33,1724.33 10181.66,1724.33 v2(10182.99,1722.99)
  L9_R w5: v2(6122.99,1170.99) 6308.59,1356.59 6308.59,1428.47 6457.11,1576.99 6576.99,1576.99
FAULT_LEDN: DS27.1 P16.4 Q15.3 R288.1 | length 10127.3
  L1_TOP w5: v2(275.03,722.99) P16.4@365.55,722.99 ; Q15.3@1306.3,9068.49 v2(1348.56,9068.49)
  L1_TOP w10: v2(546.99,8602.99) 548.99,8600.99 664.99,8600.99 682.99,8618.99 DS27.1@682.99,8663.94
  L3_S w3.8: v2(275.03,722.99) 138.99,722.99 67.99,793.99 67.99,8550.99 119.99,8602.99 v2(546.99,8602.99)
  L14_S w5: v2(546.99,8602.99) 855.09,8602.99 909.33,8657.23 909.33,8675.33 1302.49,9068.49 v2(1348.56,9068.49)
  L16_BOT w5: R288.1@1069.18,9003.49 1134.18,9068.49 v2(1348.56,9068.49)
FAULTN: Q17.1 R85.1 R225.2 R262.1 U2.AC31 U25.6 | length 14784.3
  L1_TOP w5: v2(1177.42,8640.39) Q17.1@1219.68,8640.39 ; R262.1@7024.68,5182.99 v2(7024.68,5217.31) ; U2.AC31@8059.53,3994.49 v1(8079.21,4014.17) ; R85.1@9582.68,6422.99 v3(9606.68,6422.99) v3@9608.68,6422.99 ; U25.6@9760.79,6601.81 v2@9818.17,6601.81
  L3_S w3.8: v2(7024.68,5217.31) 7024.68,5810.68 7228.99,6014.99 7702.99,6014.99 7868.99,6180.99 v2(7892.99,6180.99)
  L8_R w3.8: v2(1177.42,8640.39) 1226.02,8688.99 1384.99,8688.99 1605.39,8468.59 1605.39,7303.28 2479.68,6428.99 7598.99,6428.99 7846.99,6180.99 v2(7892.99,6180.99)
  L12_S w3.8: v2(7892.99,6180.99) 8068.99,6356.99 8930.99,6356.99 8934.99,6352.99 9280.99,6352.99 9314.99,6386.99 9570.68,6386.99 v3(9606.68,6422.99) 9672.99,6422.99 9700.99,6450.99 9700.99,6563.1 9694.33,6569.76 9694.33,6586.21 9710.75,6602.63 v2(9818.99,6602.63)
  L14_S w3.8: v2(7892.99,6180.99) 7882.19,6170.19 7882.19,5459.97 7966.99,5375.17 7966.99,5102.52 7971.39,5098.12 7971.39,5078.73 7966.99,5074.33 7966.99,4777.46 7963.59,4774.06 7963.59,4715.3 7966.99,4711.9 7966.99,4534.99 8034.99,4466.99 8064.99,4466.99 8094.81,4437.17 8094.81,4047.08 8079.21,4031.48 v1(8079.21,4014.17)
  L16_BOT w5: R225.2@1142.99,8622.68 1160.71,8640.39 v2(1177.42,8640.39)
FLASH_BUSYN: R106.1 U30.A4 U46.17 | length 1128
  L1_TOP w5: U30.A4@7303.15,1811.02 v1@7322.84,1830.71 ; v2@7545.31,1546.99 R106.1@7577.31,1546.99 ; U46.17@7846.73,1724.25 v2(7924.91,1724.25)
  L8_R w3.8: v1(7323.47,1830.08) 7340.99,1812.55 7340.99,1618.99 7326.99,1604.99 7326.99,1556.99 7336.99,1546.99 v2(7543.31,1546.99)
  L9_R w3.8: v2(7543.31,1546.99) 7543.31,1595.31 7672.25,1724.25 v2(7924.91,1724.25)
FTDI_CTRL0: U33.34 U46.66 | length 10203.8
  L1_TOP w5: v3(8394.04,1862.05) U46.66@8439.25,1862.05 ; v2(11215.04,8330.38) U33.34@11215.04,8390.84
  L8_R w3.8: v3(8394.04,1862.05) 8448.61,1807.48 8511.48,1807.48 8551.59,1767.36 8551.59,1613.36 8925.36,1239.59 10207.65,1239.59 10212.84,1244.78 10213.82,1244.78 10826.63,1857.59 11022.63,1857.59 11210.99,2045.96 11210.99,3275.96 11242.63,3307.59 11306.63,3307.59 11455,3455.97 11455,5652.98 11358.39,5749.59 11358.39,7751.23 11274.63,7834.99 11236.99,7834.99 11148.99,7922.99 11148.99,8068.99 11215.04,8135.04 v2(11215.04,8330.38)
FTDI_CTRL1: U33.33 U46.67 | length 10569
  L1_TOP w5: v2(8267.2,1898.99) 8327.12,1898.99 8344.38,1881.73 U46.67@8439.25,1881.73 ; U33.33@11195.35,8390.84 v3(11195.35,8451.3)
  L8_R w3.8: v2(8267.2,1898.99) 8287.2,1878.99 8410.99,1878.99 8471.34,1818.65 8522.65,1818.65 8567.39,1773.9 8567.39,1734.46 8561.48,1728.54 8561.48,1625.82 8931.9,1255.39 10202.08,1255.39 10820.08,1873.39 11016.08,1873.39 11195.19,2052.5 11195.19,3282.5 11236.08,3323.39 11300.08,3323.39 11420.59,3443.9 11420.59,5665.05 11342.59,5743.05 11342.59,7744.68 11268.08,7819.19 11226.79,7819.19 11122.99,7922.99 11122.99,8068.99 11198.28,8144.28 11198.28,8448.38 v3(11195.35,8451.3)
FTDI_CTRL2: U33.32 U46.68 | length 10106.6
  L1_TOP w5: U46.68@8439.25,1901.42 v2(8517.43,1901.42) ; v3(11137.35,8421.35) U33.32@11164.84,8421.35
  L8_R w3.8: v2(8517.43,1901.42) 8544.99,1873.86 8544.99,1840.99 8598.99,1786.99 8598.99,1721.37 8577.08,1699.45 8577.08,1654.91 8944.99,1286.99 10188.99,1286.99 10806.99,1904.99 11002.99,1904.99 11163.59,2065.59 11163.59,3295.59 11222.99,3354.99 11286.99,3354.99 11388.99,3456.99 11388.99,5651.96 11310.99,5729.96 11310.99,7731.59 11254.99,7787.59 11213.7,7787.59 11094.99,7906.3 11094.99,8379 v3(11137.35,8421.35)
FTDI_CTRL3: U33.30 U46.70 | length 10274.1
  L1_TOP w5: v3(8394.04,1940.79) U46.70@8439.25,1940.79 ; v3(11137.35,8460.72) U33.30@11164.84,8460.72
  L8_R w3.8: v3(8394.04,1940.79) 8422.85,1940.79 8583.19,1780.45 8583.19,1727.91 8569.28,1714 8569.28,1640.36 8938.45,1271.19 10195.54,1271.19 10813.54,1889.19 11009.54,1889.19 11179.39,2059.05 11179.39,3289.05 11229.54,3339.19 11293.54,3339.19 11404.79,3450.45 11404.79,5658.5 11326.79,5736.5 11326.79,7738.14 11261.54,7803.39 11220.25,7803.39 11108.99,7914.65 11108.99,8362.99 11160.99,8414.99 11160.99,8437.08 v3(11137.35,8460.72)
FTDI_TCK: R462.1 U33.16 | length 738.4
  L1_TOP w5: R462.1@10802.68,8362.99 v2(10829.26,8362.99) ; v2@11166.74,8778.99 v2(11160.99,8778.99) 11188.99,8778.99 11195.35,8772.63 U33.16@11195.35,8747.14
  L12_S w3.8: v2(10829.26,8362.99) 10900.99,8434.72 10900.99,8672.99 11006.99,8778.99 v2(11160.99,8778.99)
FTDI_TDI: R464.1 U33.17 | length 721.1
  L1_TOP w5: R464.1@10802.68,8282.99 v2(10829.26,8282.99) ; v3(11137.35,8716.63) U33.17@11164.84,8716.63
  L12_S w3.8: v2(10829.26,8282.99) 10918.99,8372.72 10918.99,8632.99 11034.99,8748.99 11104.98,8748.99 v3(11137.35,8716.63)
FTDI_TDO: R467.2 U33.18 | length 789.4
  L1_TOP w5: R467.2@10802.68,8202.99 v2(10829.26,8202.99) ; U33.18@11164.84,8696.94 v3(11192.34,8696.94)
  L12_S w3.8: v2(10829.26,8202.99) 10938.99,8312.72 10938.99,8598.99 11036.94,8696.94 v3(11192.34,8696.94)
FTDI_TMS: R465.1 U33.19 | length 788.7
  L1_TOP w5: R465.1@10802.68,8122.99 v2(10829.26,8122.99) ; v2(11104.38,8677.26) U33.19@11164.84,8677.26
  L12_S w3.8: v2(10829.26,8122.99) 10962.99,8256.72 10962.99,8592.99 11047.26,8677.26 v2(11104.38,8677.26)
FTDI_TRSTN: R466.1 U33.21 | length 833.9
  L1_TOP w5: R466.1@10802.68,8042.99 v2(10829.26,8042.99) ; v3(11137.35,8637.89) U33.21@11164.84,8637.89
  L12_S w3.8: v2(10829.26,8042.99) 10980.99,8194.72 10980.99,8579.32 11039.56,8637.89 v3(11137.35,8637.89)
FTDI_USBD_N: P3.2 SP2.1 U33.7 | length 839.4
  L1_TOP w5: U33.7@11372.52,8747.14 11372.52,8828.52 v3(11390.99,8846.99) ; SP2.1@11482.6,8936.69 11482.6,8943.6 v13(11514,8975)
  L3_S w3.94: v3(11390.99,8846.99) 11417,8873 11439,8873 ; 11440,8872 11443.53,8868.47 11526.47,8868.47 11550,8892 11550,8939 v13(11514,8975) 11514,8990 11536,9012 11536,9037 11577.06,9078.06 11577.06,9117 11577.06,9126.57 ccw(c11567.16,9126.57) 11567.16,9136.47 11560.76,9136.47 cw(c11560.76,9146.38) 11550.85,9146.38 cw(c11560.76,9146.38) 11560.76,9156.28 11567.16,9156.28 ccw(c11567.16,9166.19) 11577.06,9166.19 11577.06,9176.09 11577.06,9186 11577.06,9204.94 11556,9226 11524.58,9226 P3.2@11489.21,9190.63
FTDI_USBD_P: P3.3 SP2.2 U33.8 | length 839.4
  L1_TOP w5: U33.8@11352.83,8747.14 v2(11352.83,8807.6) ; SP2.2@11556,8940 v13(11587.4,8971.4)
  L3_S w3.94: v2(11352.83,8807.6) 11385.6,8807.6 11434,8856 11438,8856 11442.53,8860.53 11529.76,8860.53 11557.94,8888.71 11557.94,8941.94 v13(11587.4,8971.4) 11587.4,8990.6 11578,9000 11560,9000 11547,9013 11547,9033 11585,9071 11585,9208.22 11559.29,9233.94 11524.65,9233.94 P3.3@11489.21,9269.37
GETH_IRQN: R84.1 U2.AD33 U50.L1 | length 6862.3
  L1_TOP w5: U2.AD33@8098.9,4073.23 v1(8118.58,4092.91) ; v2(10391.56,7363.31) R84.1@10422.99,7363.31 ; U50.L1@10413.39,8464.57 v1(10433.07,8484.25)
  L12_S w3.8: v2(7942.99,6326.99) 7990.99,6374.99 9155.31,6374.99 9166.22,6364.08 9281.05,6364.08 9311.76,6394.79 9412.79,6394.79 9484.99,6466.99 9606.99,6466.99 9680.99,6540.99 9680.99,6630.99 9732.99,6682.99 9888.99,6682.99 10088.99,6882.99 10312.99,6882.99 10416.99,6986.99 10416.99,7084.99 v2(10440.99,7108.99) ; v2(10391.56,7363.31) 10391.56,7784.42 10380.99,7794.99 10380.99,7952.99 10466.99,8038.99 10466.99,8450.33 v1(10433.07,8484.25)
  L14_S w3.8: v2(7942.99,6326.99) 7942.99,6324.99 7918.99,6300.99 7918.99,6152.99 7897.99,6131.99 7897.99,5466.51 7982.79,5381.71 7982.79,5095.29 7982.39,5094.89 7982.39,5081.96 7982.79,5081.56 7982.79,4782.23 7971.39,4770.83 7971.39,4718.53 7980.99,4708.93 7980.99,4554.99 8020.99,4514.99 8058.99,4514.99 8102.98,4471 8102.98,4125.82 8118.58,4110.22 v1(8118.58,4092.91) ; v2(10391.56,7363.31) 10402.68,7363.31 10442.99,7322.99 10442.99,7110.99 v2(10440.99,7108.99)